# Altium PCB DB_Main-X02.PcbDoc (part 1 of 3)
Units mm, origin at the board's own origin, x right, y up, seen from the top; angles counter-clockwise.
Board outline 99.57 x 76.45 mm, 2 copper layers (Top Layer, Bottom Layer), stack 1.711 mm thick; 208 components, 125 nets, 636 pads, 236 vias.
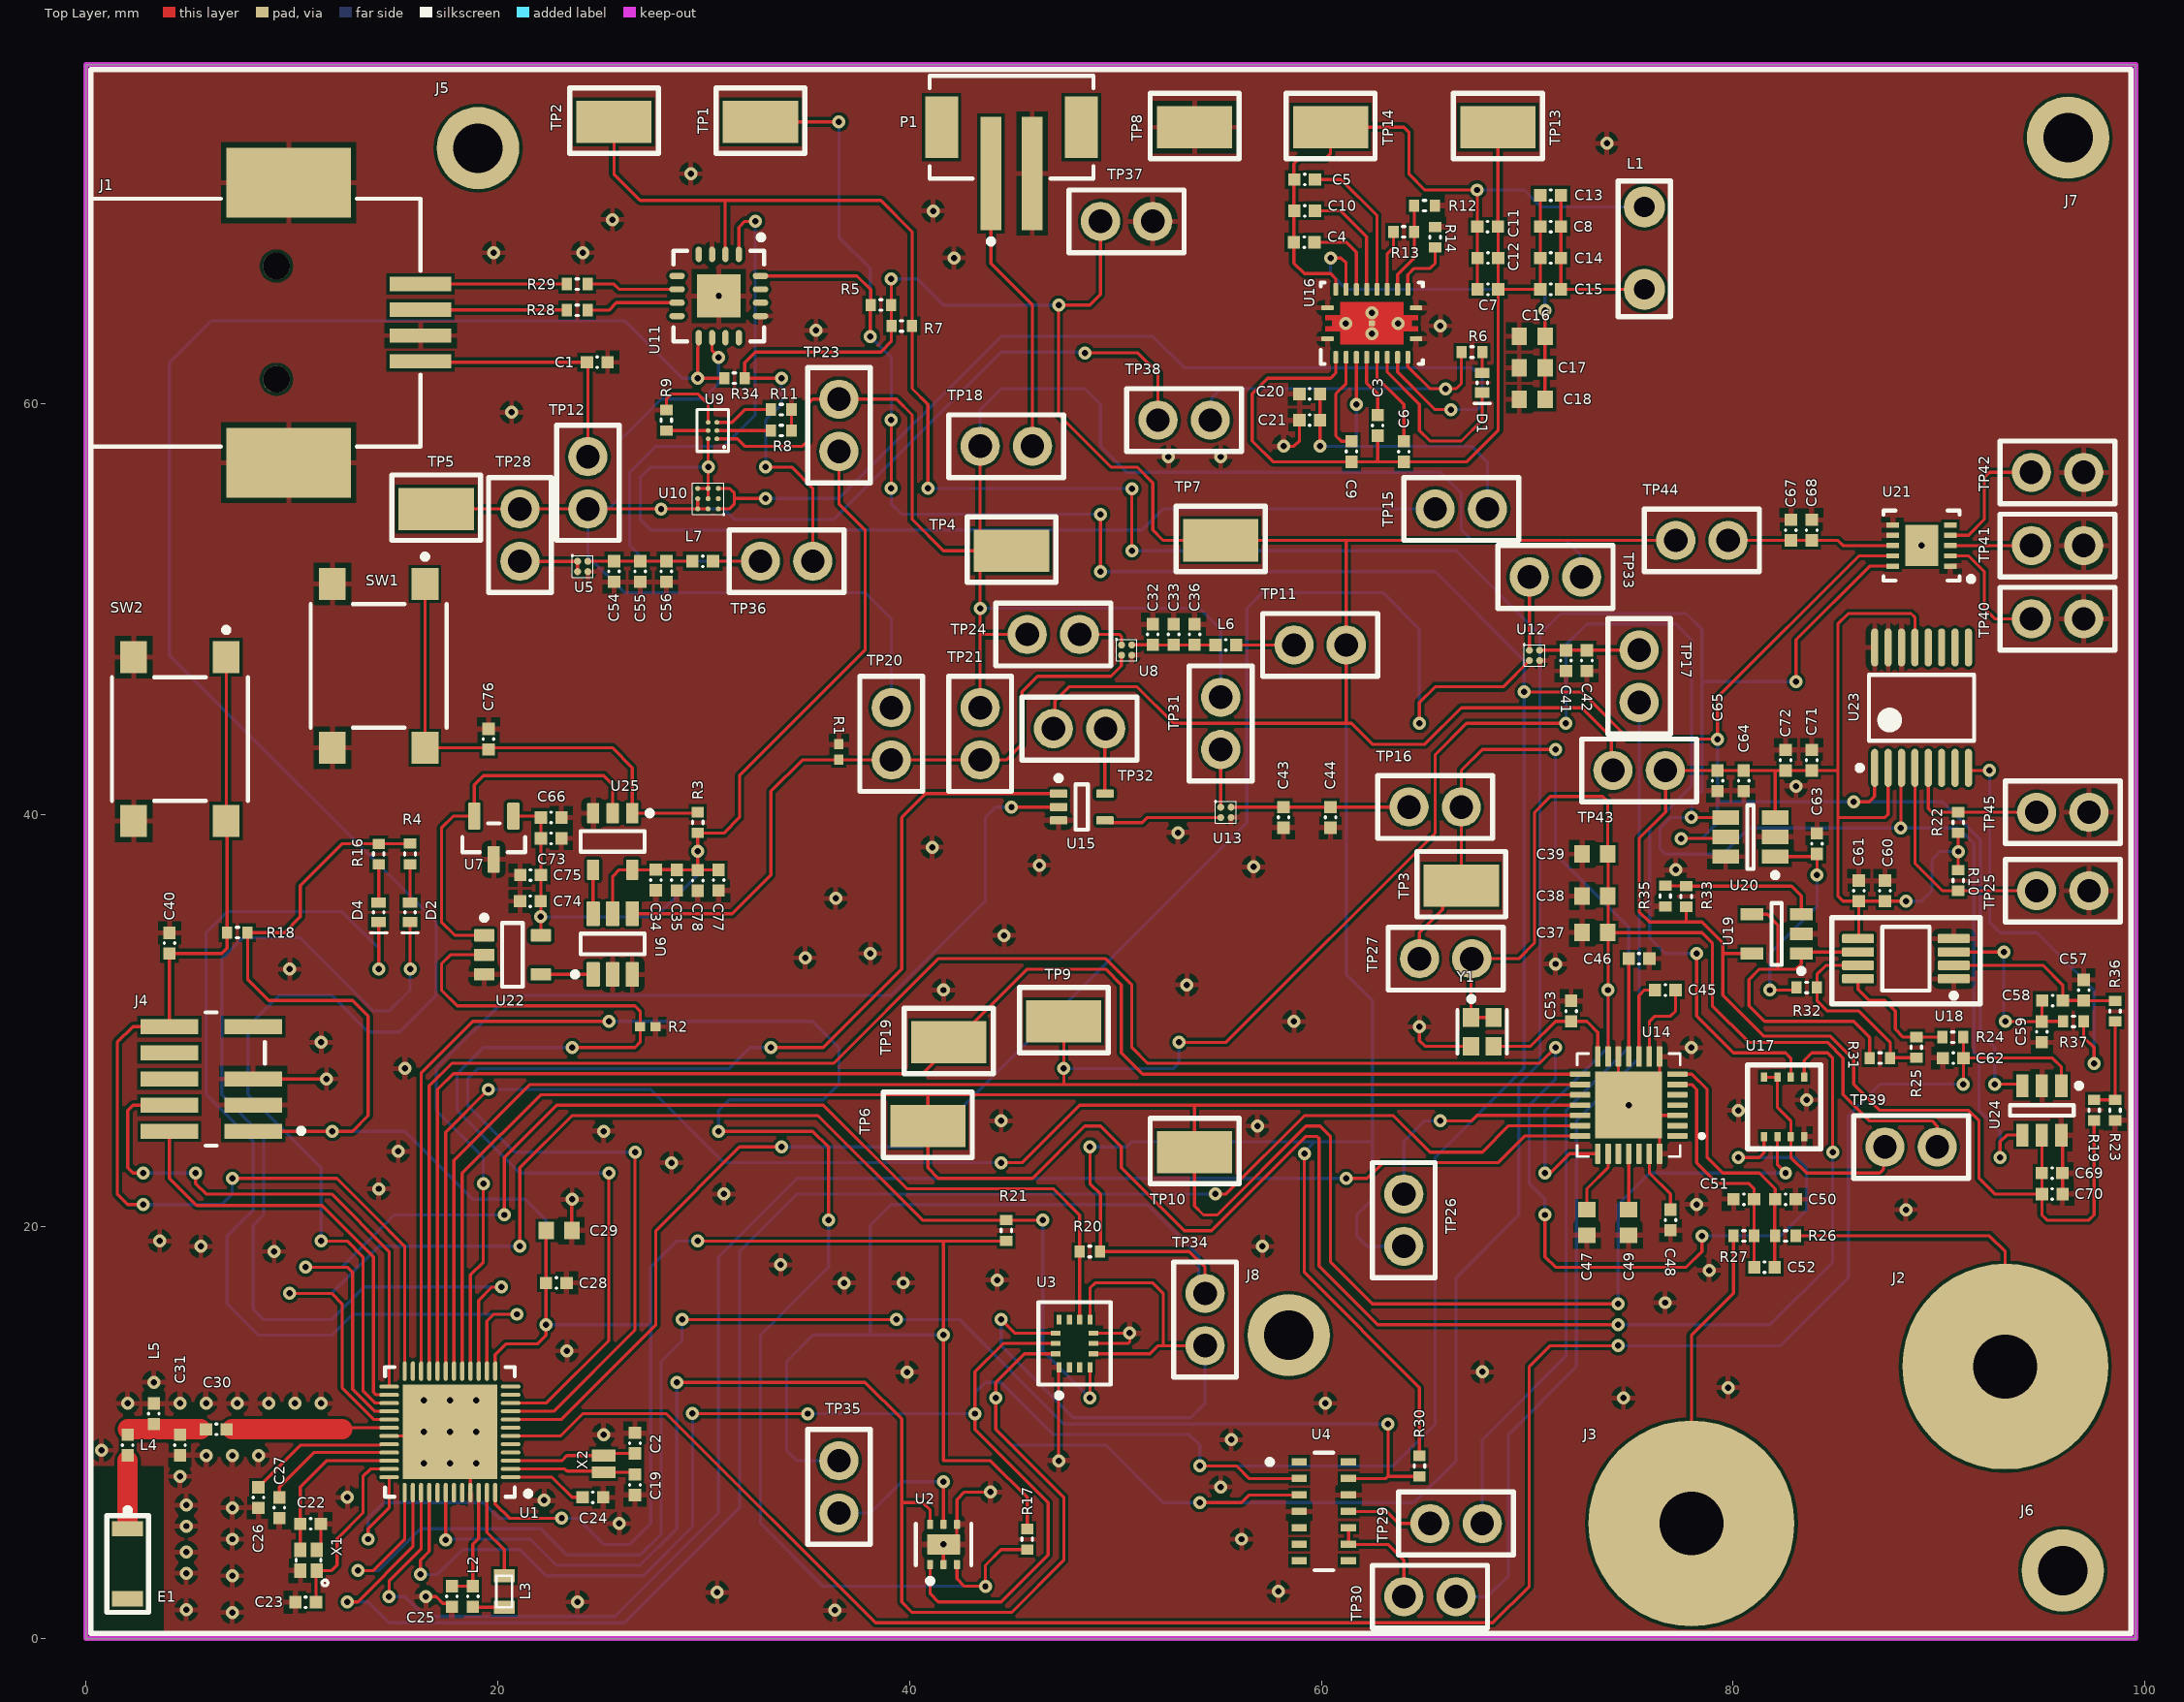
[diagram p0: Top Layer view]
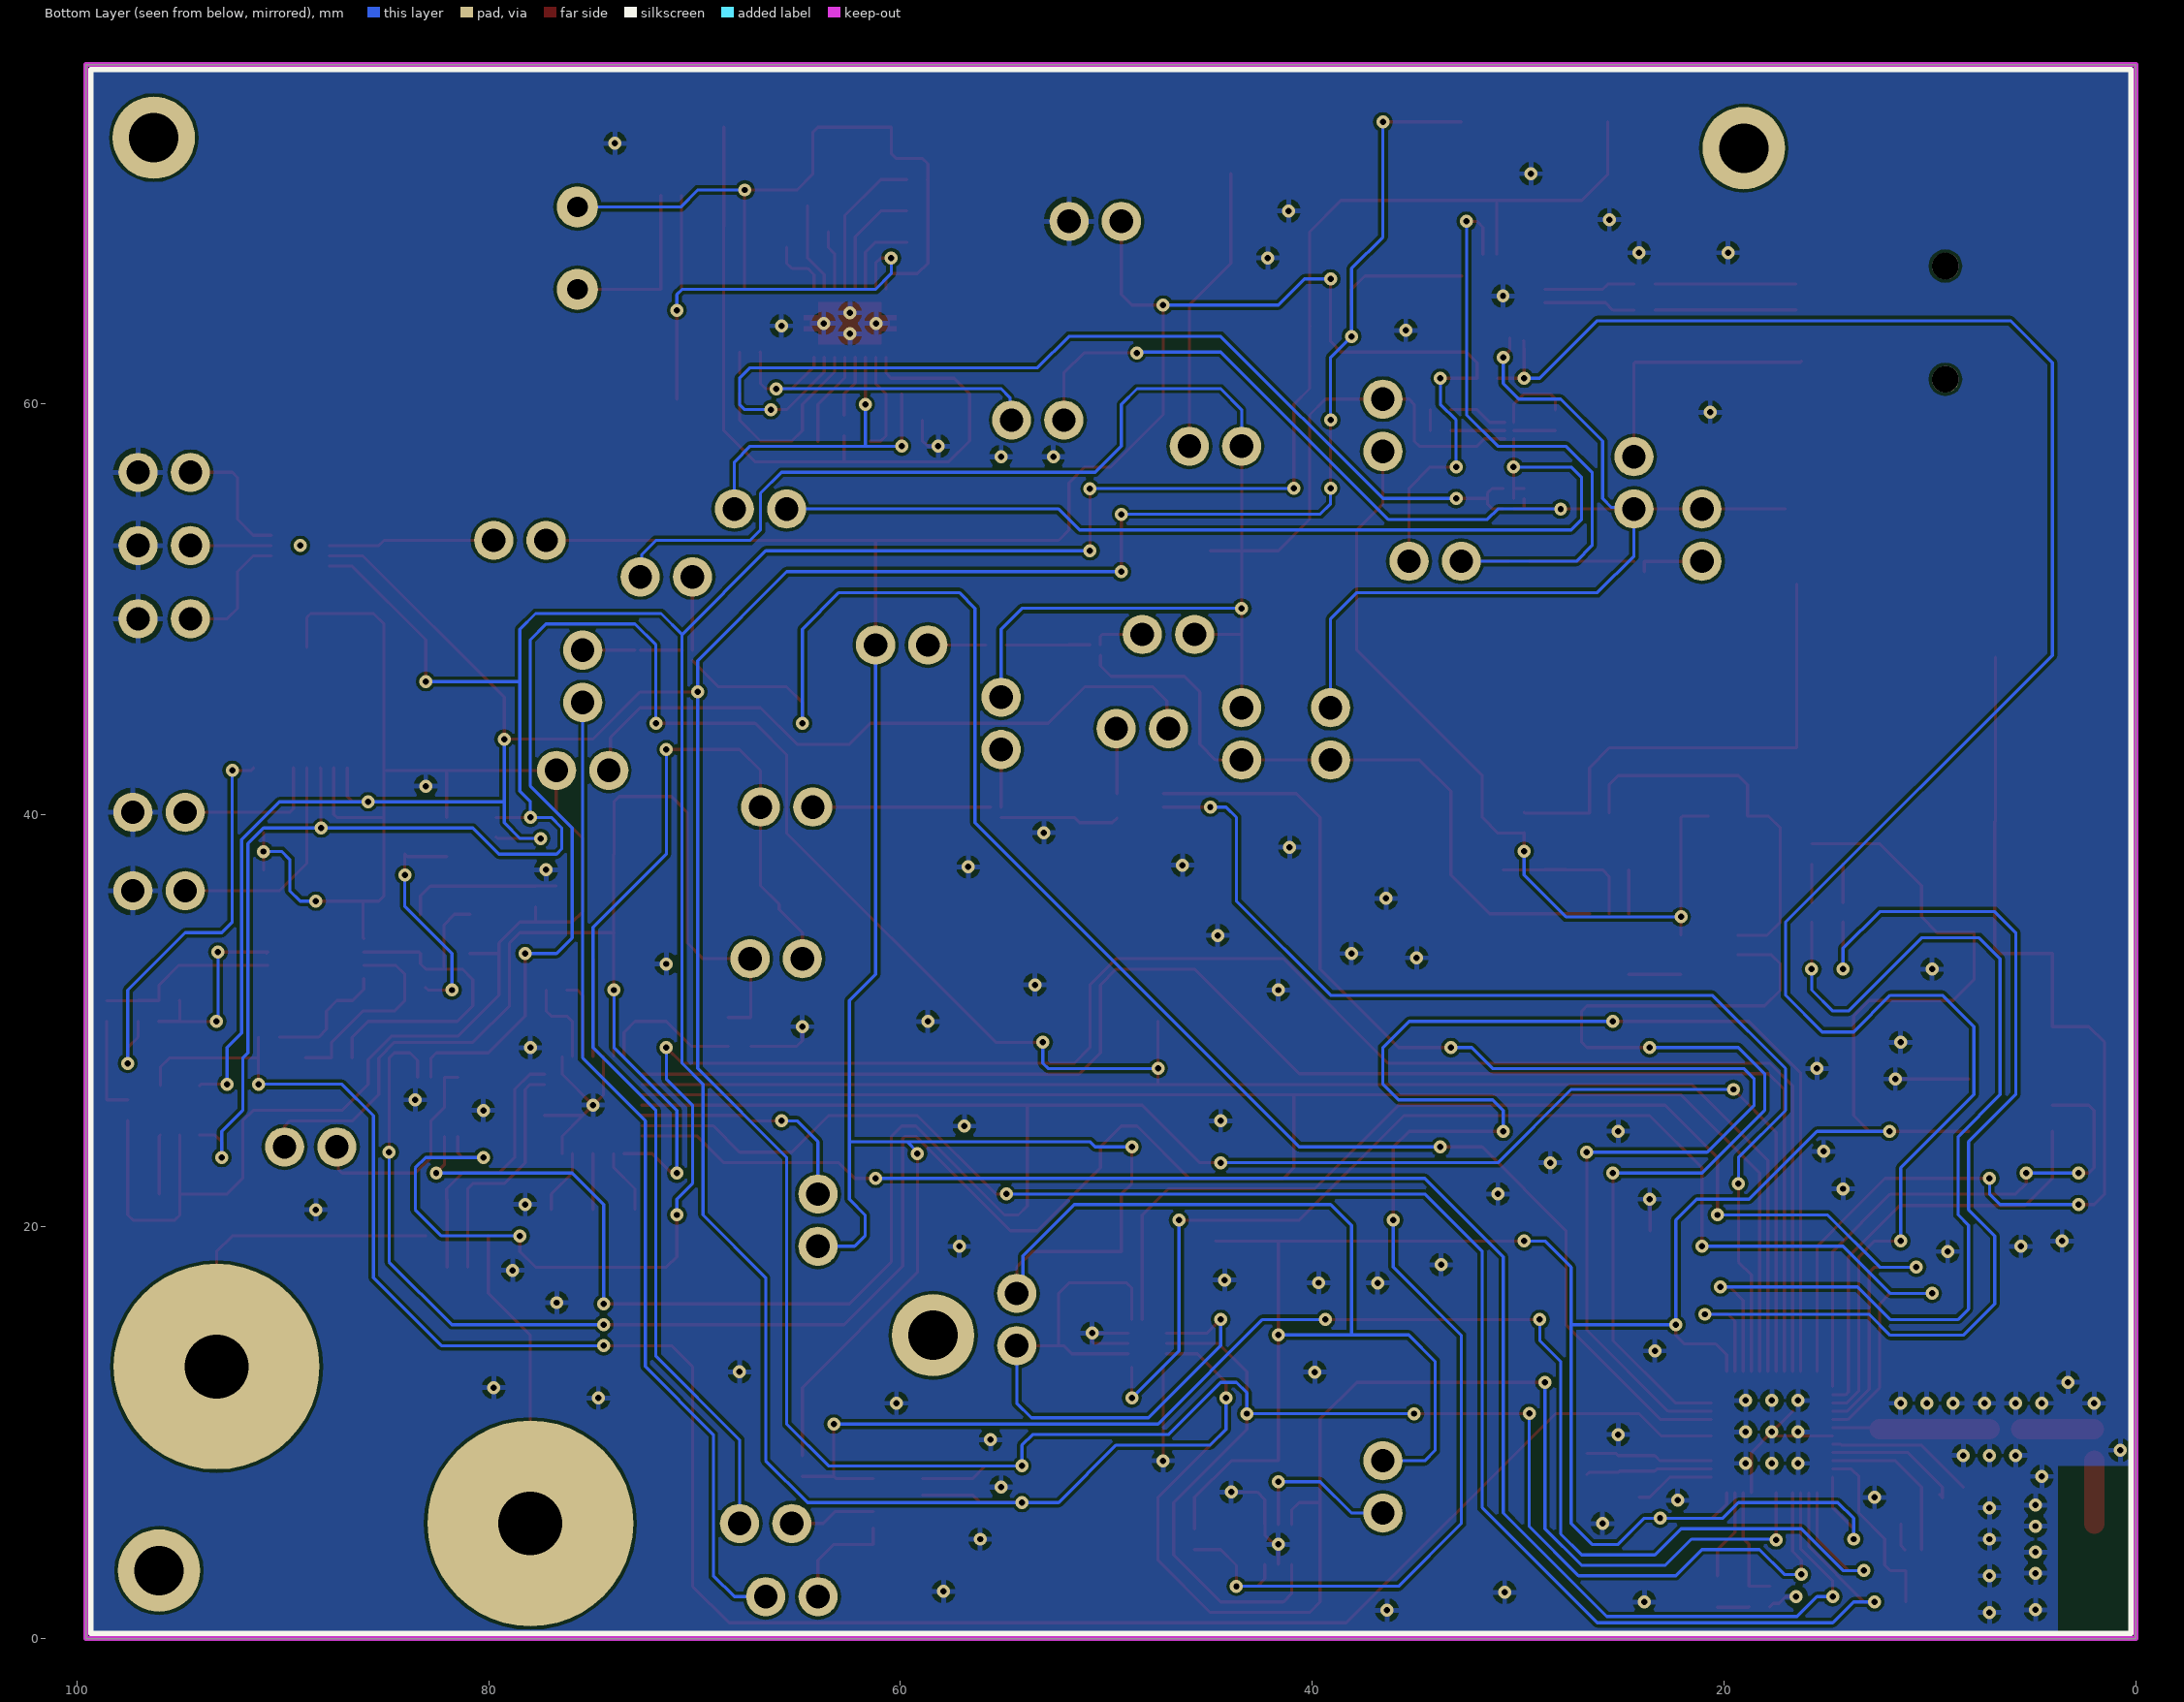
[diagram p1: Bottom Layer view, seen from below]
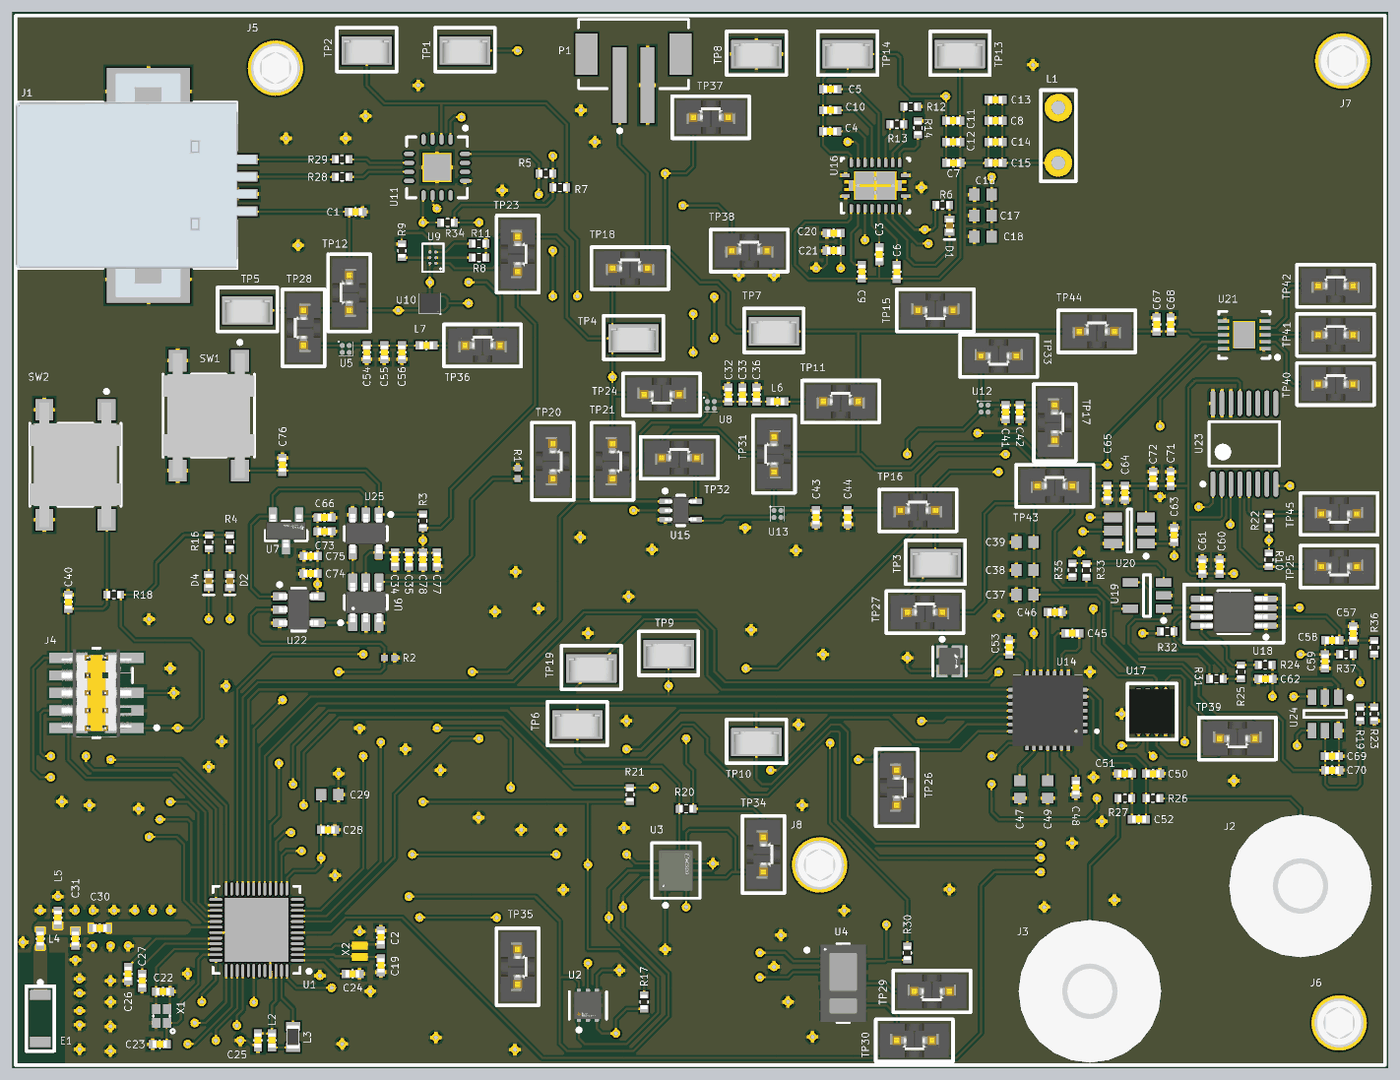
[diagram p4: 3D render of the assembled board from above, using the file's embedded part models]

## Layer stack, top to bottom
Top Solder: solder mask 0.0254, SM-001, Dk 4
Top Layer: signal copper 0.035
Dielectric 2: prepreg 0.0711, PP-006, Dk 4.1
Dielectric 1: core 1.4986, Core-043, Dk 4.3
Dielectric 3: prepreg 0.0711, PP-006, Dk 4.1
Bottom Layer: signal copper 0.035
Bottom Solder: solder mask 0.0254, SM-001, Dk 4

## Board outline
0,0 99.568,0 99.568,76.454 0,76.454

## Design rules (kind name [scope] priority, off if disabled: settings)
Clearance [All] p1: gap=0.152 ignorepadtopadclearanceinfootprint=FALSE
ComponentClearance [All] p1: gap=0.381 collisioncheckmode=3 verticalgap=0.254 showdistances=FALSE
HoleSize [All] p1: absolutevalues=TRUE maxlimit=5.08 minlimit=0.305 maxpercent=80.000 minpercent=20.000
MinimumSolderMaskSliver [All] p1: minsoldermaskwidth=0.152
PolygonConnect [All] p1: connectstyle=Relief reliefconductorwidth=0.254 reliefentries=4 polygonreliefangle="90 Angle" airgapwidth=0.254
RoutingVias [All] p1: holewidth=0.406 width=0.762 viastyle="Through Hole" minholewidth=0.305 minwidth=0.305 maxholewidth=2.54 maxwidth=1.27
SilkToSilkClearance [All] p1: silktosilkclearance=0.152
SilkToSolderMaskClearance [IsPad] p1: minsilkscreentomaskgap=0.152 clearancetoexposedcopper=TRUE
SolderMaskExpansion [All] p1: expansion=0.102 istentingtop=FALSE
UnRoutedNet [All] p1: checkbadconnections=TRUE
Width [All] p1: maxlimit=1.27 minlimit=0.152 preferedwidth=0.152
24 further rules are at their usual default settings.

## Classes and differential pairs
component class DB_Capacitance-X02: C67 C68 TP40 TP41 TP42 TP44 U21
component class DB_Sensors-X02: C57 C58 C59 C60 C61 C62 C63 C64 C65 C69 C70 C71 C72 R10 R19 R22 R23 R24 R25 R31 R32 R33 R35 R36 R37 TP25 TP43 TP45 U18 U19 U20 U23 U24
component class DB_ECG-X02: C37 C38 C39 C45 C46 C47 C48 C49 C50 C51 C52 C53 J2 J3 R26 R27 TP26 TP27 TP39 U14 U17 Y1
component class DB_Power-X02: C1 C3 C4 C5 C6 C7 C8 C9 C10 C11 C12 C13 C14 C15 C16 C17 C18 C20 C21 C32 C33 C34 C35 C36 C66 C73 C74 C75 C76 C77 C78 D1 J1 L1 L6 P1 R1 R2 R3 R6 R8 R9 R11 R12 R13 R14 SW1 TP11 TP12 TP13 TP14 TP15 TP18 TP20 TP21 TP23 TP24 TP37 TP38 U6 U7 U8 U9 U10 U16 U22 U25
component class DB_Pheripherals-X02: C41 C42 C43 C44 C54 C55 C56 J5 J6 J7 J8 L7 R28 R29 TP16 TP17 TP28 TP29 TP30 TP31 TP32 TP33 TP34 TP35 TP36 U2 U3 U4 U5 U11 U12 U13 U15
component class DB_Main-X02: C2 C19 C22 C23 C24 C25 C26 C27 C28 C29 C30 C31 C40 D2 D4 E1 J4 L2 L3 L4 L5 R4 R5 R7 R16 R17 R18 R20 R21 R30 R34 SW2 TP1 TP2 TP3 TP4 TP5 TP6 TP7 TP8 TP9 TP10 TP19 U1 X1 X2

## Components (designator, comment, footprint, x,y, rotation, side; value= is the part's Value field where it differs from the comment)
C1 "1uF" C0402 24.839,61.991 r0 top
C2 "14pF" C0402 26.67,9.488 r270 top
C3 "470nF" C0402 62.738,58.92 r90 top
C4 "10nF" C0402 59.174,67.818 r0 top
C5 "22nF" C0402 59.19,70.866 r0 top
C6 "22nF" C0402 64.008,57.65 r90 top
C7 "68pF" C0402 68.096,65.532 r180 top
C8 "100nF" C0402 71.144,68.58 r180 top
C9 "10nF" C0402 61.468,57.658 r90 top
C10 "470nF" C0402 59.19,69.342 r0 top
C11 "2nF" C0402 68.08,68.58 r180 top
C12 "100pF" C0402 68.088,67.056 r180 top
C13 "10nF" C0402 71.144,70.104 r180 top
C14 "100nF" C0402 71.144,67.056 r180 top
C15 "4.7nF" C0402 71.144,65.532 r180 top
C16 "10uF" C0603 70.241,63.246 r180 top
C17 "10uF" C0603 70.241,61.722 r180 top
C18 "100nF" C0603 70.241,60.198 r180 top
C19 "14pF" C0402 26.67,7.472 r90 top
C20 "4.7uF" C0402 59.444,60.452 r0 top
C21 "4.7uF" C0402 59.444,59.182 r0 top
C22 "12pF" C0402 10.914,5.572 r0 top
C23 "12pF" C0402 10.676,1.762 r180 top
C24 "100nF" C0402 24.63,6.858 r0 top
C25 "1uF" C0402 17.78,2.04 r90 top
C26 "100pF" C0402 8.382,6.85 r270 top
C27 "100pF" C0402 9.398,6.35 r270 top
C28 "4.7uF" C0402 22.852,17.272 r0 top
C29 "100nF" C0603 22.977,19.812 r180 top
C30 "0.5pF" C0402 6.342,10.16 r180 top
C31 "2pF" C0402 4.572,9.398 r270 top
C32 "4.7uF" C0402 51.816,48.768 r90 top
C33 "1uF" C0402 52.832,48.768 r90 top
C34 "1uF" C0402 27.686,36.846 r270 top
C35 "100nF" C0402 28.702,36.838 r90 top
C36 "100nF" C0402 53.848,48.768 r270 top
C37 "100nF" C0603 73.289,34.29 r180 top
C38 "100nF" C0603 73.289,36.068 r180 top
C39 "10uF" C0603 73.289,38.1 r180 top
C40 "1uF" C0402 4.064,33.774 r270 top
C41 "1uF" C0402 71.882,47.498 r270 top
C42 "100nF" C0402 72.898,47.498 r90 top
C43 "1uF" C0402 58.166,39.886 r270 top
C44 "100nF" C0402 60.452,39.886 r90 top
C45 "1uF" C0402 76.708,31.496 r180 top
C46 "1nF" C0402 75.43,33.02 r180 top
C47 "10uF" C0603 72.898,20.203 r90 top
C48 "1uF" C0402 76.962,20.328 r270 top
C49 "10uF" C0603 74.93,20.203 r90 top
C50 "10pF" C0402 82.542,21.336 r180 top
C51 "10pF" C0402 80.518,21.336 r180 top
C52 "1nF" C0402 81.526,18.034 r180 top
C53 "15pF" C0402 72.136,30.472 r90 top
C54 "4.7uF" C0402 25.654,51.824 r270 top
C55 "1uF" C0402 26.924,51.824 r270 top
C56 "100nF" C0402 28.194,51.824 r90 top
C57 "" C0402 97.028,31.488 r270 top
C58 "100nF" C0402 95.512,30.988 r180 top
C59 "" C0402 94.996,29.464 r270 top
C60 "1uF" C0402 87.376,36.314 r90 top
C61 "100nF" C0402 86.106,36.314 r90 top
C62 "100nF" C0402 90.686,28.194 r180 top
C63 "1uF" C0402 84.074,38.608 r90 top
C64 "1uF" C0402 80.518,41.664 r270 top
C65 "100nF" C0402 79.248,41.664 r270 top
C66 "1uF" C0402 22.598,39.878 r0 top
C67 "1uF" C0402 82.804,53.84 r90 top
C68 "100nF" C0402 83.82,53.84 r90 top
C69 "1uF" C0402 95.496,22.606 r0 top
C70 "100nF" C0402 95.504,21.59 r0 top
C71 "1uF" C0402 83.82,42.664 r90 top
C72 "100nF" C0402 82.55,42.664 r90 top
C73 "100nF" C0402 22.598,38.862 r180 top
C74 "1uF" C0402 21.59,35.814 r180 top
C75 "100nF" C0402 21.598,37.084 r0 top
C76 "1uF" C0402 19.558,43.68 r270 top
C77 "1uF" C0402 30.734,36.83 r270 top
C78 "100nF" C0402 29.718,36.822 r90 top
D1 "Yellow" LED_0402 67.818,60.993 r270 top
D2 "Orange" LED_0402 15.748,35.273 r270 top
D4 "Red" LED_0402 14.224,35.273 r270 top
E1 "2450AT18B100" 2450AT18B100 2.032,5.334 r270 top
J1 "62910416121" 62910416121 8.256,63.911 r270 top
J2 "ECG_STUD_EYELET" ECG_STUD 93.218,13.208 r0 top
J3 "ECG_STUD_EYELET" ECG_STUD 77.978,5.588 r0 top
J4 "FTSH-105-01-L-DV-007-K" FTSH-105-01-L-DV-007-K 8.128,24.638 r0 top
J5 "M2/2-56 Mounting Hole" "Mounting Hole" 19.05,72.39 r0 top
J6 "M2/2-56 Mounting Hole" "Mounting Hole" 96.012,3.302 r0 top
J7 "M2/2-56 Mounting Hole" "Mounting Hole" 96.266,72.898 r0 top
J8 "M2/2-56 Mounting Hole" "Mounting Hole" 58.42,14.732 r0 top
L1 "WIRELESS CHARGING COIL, RECEIVER" 760308101219 75.692,69.532 r0 top
L2 "15nH" L0402 18.796,2.04 r270 top
L3 "10uH" L0603 20.32,2.286 r90 top
L4 "9nH" L0402 2.032,9.398 r270 top
L5 "2nH" L0402 3.302,10.914 r270 top
L6 "1uH" L0402 55.372,48.26 r0 top
L7 "1uH" L0402 29.964,52.324 r0 top
P1 "B2B-PH-SM4-TB(LF)(SN)" JST-B2B-PH-SM4-TB-2_V 44.958,73.406 r180 top
R1 "AC0402FR-071ML" RESC1005X37X25LL05T10 36.576,43.059 r90 top
R2 "AC0402FR-071ML" RESC1005X37X25LL05T10 27.299,29.718 r0 top
R3 "10kR" R0402 29.718,39.632 r90 top
R4 "422R" R0402 15.748,38.108 r270 top
R5 "3.3kR" R0402 38.616,64.77 r180 top
R6 "464R" R0402 67.318,62.484 r180 top
R7 "3.3kR" R0402 39.624,63.754 r0 top
R8 "10kR" R0402 33.774,58.674 r180 top
R9 "3.3kR" R0402 28.194,59.174 r270 top
R10 "" R0402 90.932,36.822 r270 top
R11 "10kR" R0402 33.774,59.69 r180 top
R12 "10kR" R0402 65.016,69.596 r0 top
R13 "20kR" R0402 64.008,68.326 r0 top
R14 "2kR" R0402 65.532,68.064 r90 top
R16 "422R" R0402 14.224,38.1 r270 top
R17 "3.3kR" R0402 45.72,4.818 r270 top
R18 "10kR" R0402 7.358,34.29 r180 top
R19 "" R0402 97.536,25.662 r90 top
R20 "3.3kR" R0402 48.76,18.796 r180 top
R21 "3.3kR" R0402 44.704,19.82 r90 top
R22 "" R0402 90.932,39.632 r90 top
R23 "" R0402 98.552,25.662 r270 top
R24 "0mR" R0402 90.67,29.21 r0 top
R25 "" R0402 88.9,28.71 r90 top
R26 "49.9kR" R0402 82.542,19.558 r180 top
R27 "49.9kR" R0402 80.518,19.558 r0 top
R28 "22R" R0402 23.868,64.516 r0 top
R29 "22R" R0402 23.868,65.786 r0 top